# KiCad board chastity.kicad_pcb
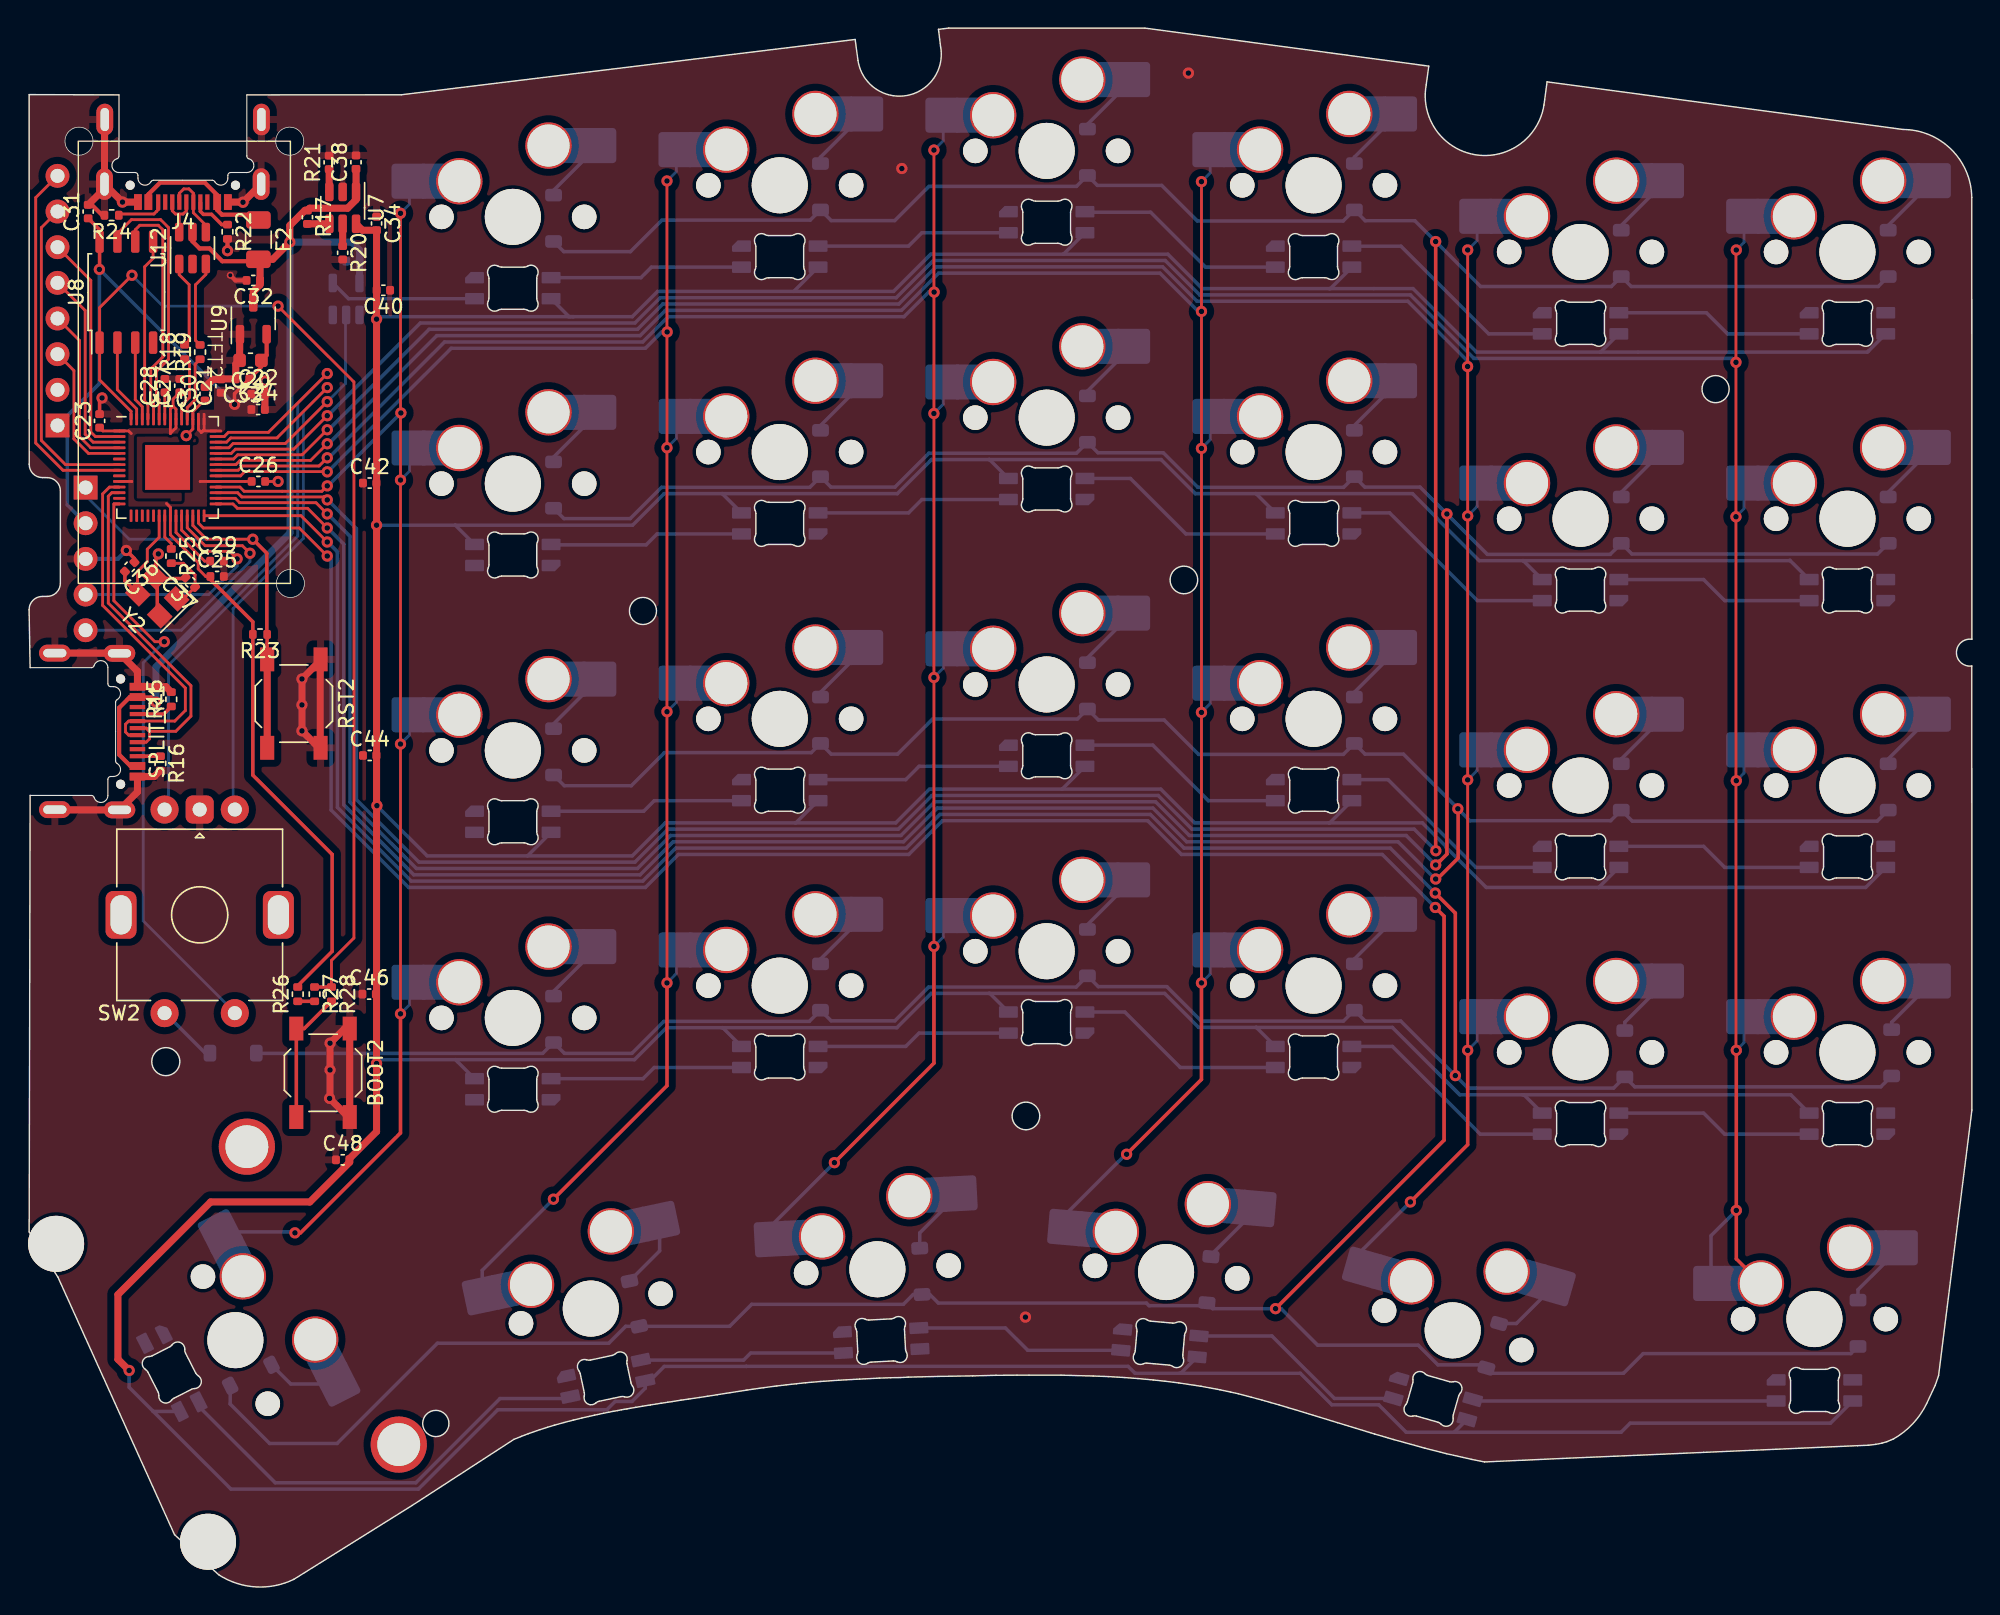
[diagram p0: board, top side]
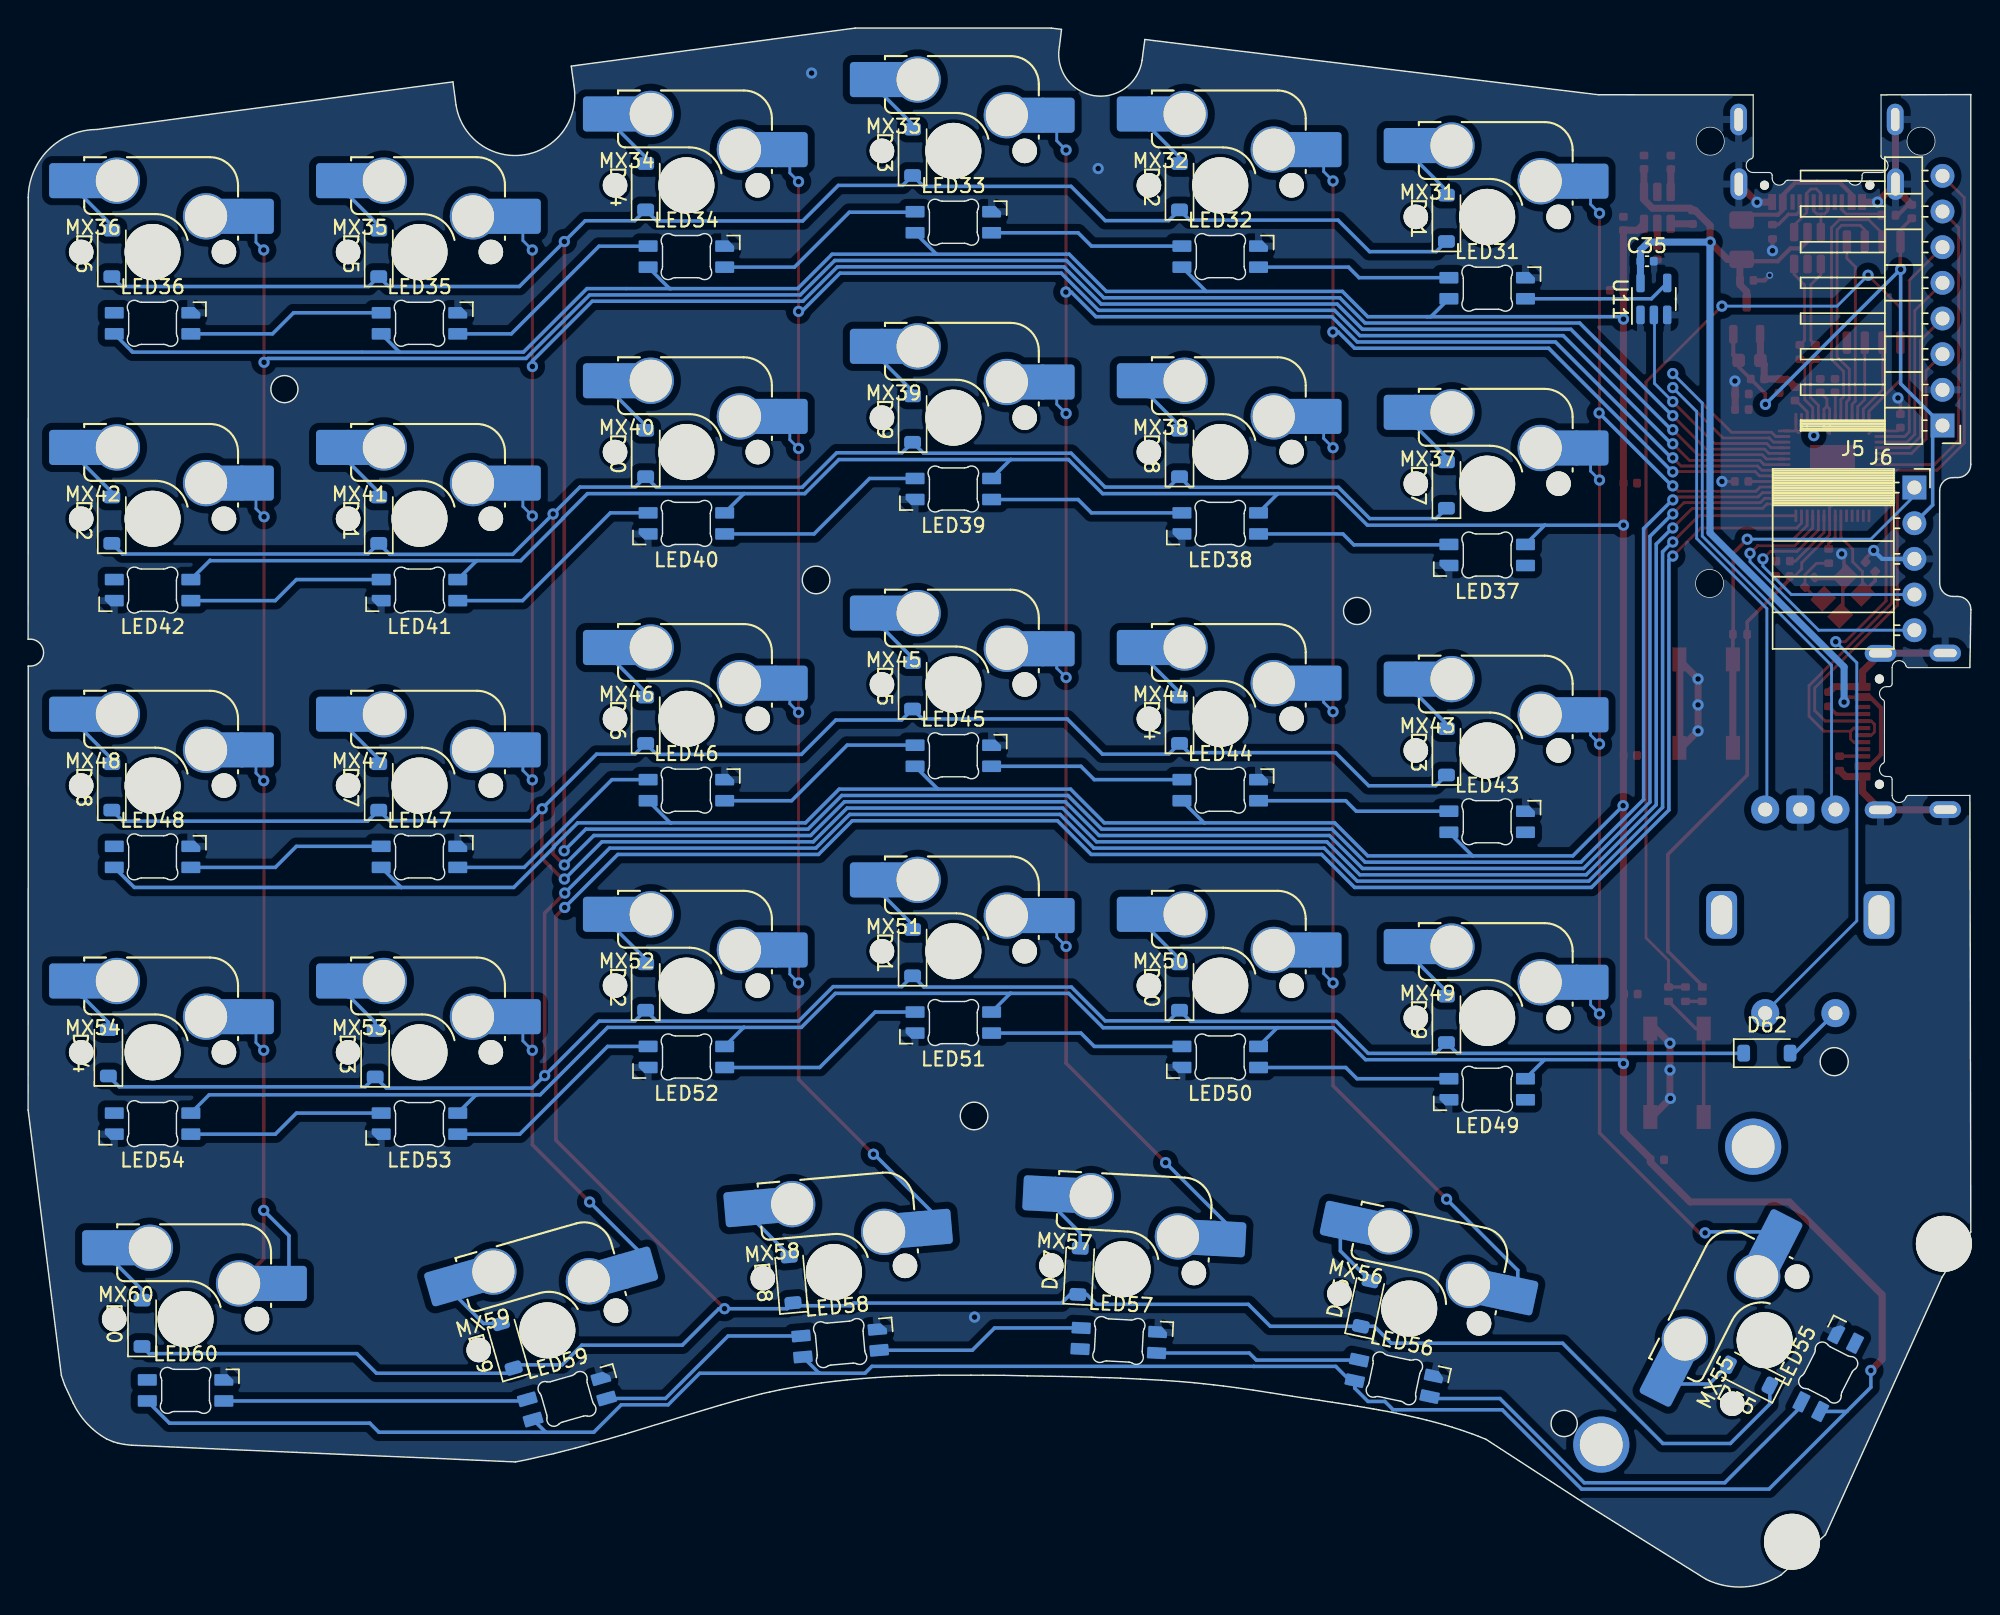
[diagram p1: board, bottom side, seen from below]

Outline 138.29 x 111.02 mm; copper layers: Top, Bottom. Coordinates in mm from the lower left corner of the outline.
Outline path: circle c9.73,37.41 r1 ; circle c28.95,11.64 r0.93 ; circle c43.7,69.51 r0.97 ; circle c70.96,33.54 r0.99 ; circle c82.2,71.72 r0.98 ; circle c120.05,85.31 r0.97 ; 0.07,65.47 0,69.6 arc(0.28,70.27) 0.94,70.54 1.28,70.54 arc(1.95,70.82) 2.23,71.49 2.23,78.06 arc(1.95,78.73) 1.28,79.01 0.95,79.01 arc(0.28,79.28) 0.01,79.95 0.01,106.28 6.4,106.26 ; 0.07,56.37 0.01,25.28 2.06,22.06 10.35,3.72 13.51,0.86 arc(16.13,0) 18.84,0.54 27.26,5.8 34.51,10.51 35.06,10.73 35.53,10.91 36.36,11.2 36.9,11.37 37.4,11.52 38.08,11.71 38.74,11.88 39.35,12.03 39.79,12.13 40.24,12.23 40.48,12.28 40.89,12.37 41.25,12.44 41.55,12.5 41.89,12.56 42.15,12.61 42.32,12.64 42.5,12.67 42.61,12.69 42.73,12.71 43.19,12.79 43.67,12.87 44.22,12.96 44.99,13.08 45.45,13.15 45.78,13.2 46.4,13.3 46.96,13.38 47.71,13.49 48.3,13.58 48.99,13.69 49.88,13.83 51.1,14.02 52.29,14.19 53.21,14.31 53.9,14.39 54.62,14.47 55.28,14.54 56.33,14.63 57.63,14.72 59.11,14.8 60.52,14.87 61.34,14.9 62.04,14.91 62.58,14.94 64.66,14.99 67.17,15.03 68.82,15.07 70.32,15.08 73.45,15.08 75.75,15.02 76.83,14.98 77.98,14.91 78.93,14.84 80.01,14.74 80.85,14.65 81.82,14.53 83.41,14.29 84.77,14.04 85.51,13.88 86.06,13.76 87,13.51 87.75,13.31 88.38,13.13 88.98,12.96 89.61,12.77 90.08,12.63 93.12,11.7 95.77,10.89 97.11,10.5 99.35,9.88 100.88,9.49 102.7,9.08 103.6,8.9 109.14,9.15 119.19,9.58 130.16,10.06 130.93,10.09 131.44,10.15 131.9,10.24 132.23,10.34 132.71,10.54 arc(134.09,11.62) 135.07,13.06 135.68,14.36 135.92,15.05 138.29,33.96 138.28,65.59 arc(137.19,66.54) 138.29,67.49 138.28,98.96 arc(136.82,102.38) 133.38,103.8 108.05,107.19 107.83,105.54 arc(102.91,102.01) 99.45,106.98 ; 15.5,106.26 26.48,106.27 58.8,110.21 59,108.72 arc(62.45,106.21) 64.88,109.71 64.73,110.93 65.46,111.02 79.42,111.02 99.63,108.31 99.45,106.98

## Placement (name value [footprint] x y rotation side)
BOOT2  SW_Push  [SW_SPST_TL3342]  20.92 36.62 270 top
C20  10u  [C_0603_1608Metric]  15.76 87.35 180 top
C21  1u  [C_0402_1005Metric]  13.66 85.52 90 top
C22  100n  [C_0402_1005Metric]  16.3 84.96 0 top
C23  100n  [C_0402_1005Metric]  5.02 83.05 90 top
C24  100n  [C_0402_1005Metric]  16.3 83.85 0 top
C25  100n  [C_0402_1005Metric]  13.38 71.96 0 top
C26  100n  [C_0402_1005Metric]  16.32 78.73 0 top
C27  100n  [C_0402_1005Metric]  10.73 85.55 90 top
C28  1u  [C_0402_1005Metric]  9.67 85.55 90 top
C29  100n  [C_0402_1005Metric]  13.37 73.06 0 top
C30  100n  [C_0402_1005Metric]  12.52 84.97 90 top
C31  1u  [C_0402_1005Metric]  4.2 97.95 90 top
C32  1u  [C_0402_1005Metric]  15.96 93.05 180 top
C33  1u  [C_0402_1005Metric]  15.19 86.03 180 top
C34  100u  [C_0402_1005Metric]  24.73 97.1 270 top
C35  100n  [C_0402_1005Metric]  23.05 94.42 0 bottom
C36  22p  [C_0402_1005Metric]  7.16 72.65 225 top
C37  22p  [C_0402_1005Metric]  11.47 71.55 135 top
C38  100n  [C_0402_1005Metric]  23.27 101.47 90 top
C40  100u  [C_0402_1005Metric]  25.22 92.35 180 top
C42  100u  [C_0402_1005Metric]  24.24 78.62 0 top
C44  100u  [C_0402_1005Metric]  24.24 59.22 0 top
C46  100u  [C_0402_1005Metric]  24.2 42.22 0 top
C48  100u  [C_0402_1005Metric]  22.32 30.42 0 top
D31  D_Small  [D_SOD-123]  37.33 97.47 90 bottom
D32  D_Small  [D_SOD-123]  56.33 99.72 90 bottom
D33  D_Small  [D_SOD-123]  75.33 102.17 90 bottom
D34  D_Small  [D_SOD-123]  94.33 99.72 90 bottom
D35  D_Small  [D_SOD-123]  113.33 94.97 90 bottom
D36  D_Small  [D_SOD-123]  132.33 94.97 90 bottom
D37  D_Small  [D_SOD-123]  37.33 78.47 90 bottom
D38  D_Small  [D_SOD-123]  56.33 80.72 90 bottom
D39  D_Small  [D_SOD-123]  75.33 83.17 90 bottom
D40  D_Small  [D_SOD-123]  94.33 80.72 90 bottom
D41  D_Small  [D_SOD-123]  113.33 75.97 90 bottom
D42  D_Small  [D_SOD-123]  132.33 75.97 90 bottom
D43  D_Small  [D_SOD-123]  37.33 59.47 90 bottom
D44  D_Small  [D_SOD-123]  56.33 61.72 90 bottom
D45  D_Small  [D_SOD-123]  75.33 64.17 90 bottom
D46  D_Small  [D_SOD-123]  94.33 61.72 90 bottom
D47  D_Small  [D_SOD-123]  113.33 56.97 90 bottom
D48  D_Small  [D_SOD-123]  132.33 56.97 90 bottom
D49  D_Small  [D_SOD-123]  37.33 40.42 90 bottom
D50  D_Small  [D_SOD-123]  56.33 42.72 90 bottom
D51  D_Small  [D_SOD-123]  75.33 45.17 90 bottom
D52  D_Small  [D_SOD-123]  94.33 42.72 90 bottom
D53  D_Small  [D_SOD-123]  113.59 37.97 90 bottom
D54  D_Small  [D_SOD-123]  132.58 38.04 90 bottom
D55  D_Small  [D_SOD-123]  15.78 15.07 27 bottom
D56  D_Small  [D_SOD-123]  43.08 20.17 102 bottom
D57  D_Small  [D_SOD-123]  63.48 22.47 93 bottom
D58  D_Small  [D_SOD-123]  83.98 21.87 85 bottom
D59  D_Small  [D_SOD-123]  104.18 17.17 74 bottom
D60  D_Small  [D_SOD-123]  130.18 18.77 90 bottom
D62  D_Small  [D_SOD-123]  14.52 38.02 180 bottom
F2  Fuse_Small  [Fuse_1206_3216Metric]  16.32 95.95 270 top
J4  USB_C_Receptacle_USB2.0  [USB_C_Receptacle_HRO_TYPE-C-31-M-14]  10.94 99.83 180 top
J5  Conn_01x05  [PinSocket_1x05_P2.54mm_Horizontal]  4.02 78.3 180 bottom
J6  Conn_01x08_Pin  [PinHeader_1x08_P2.54mm_Horizontal]  2.02 82.72 0 bottom
LED31  SK6803MINI-E  [LED_MX_6028R]  34.43 92.49 0 bottom
LED32  SK6803MINI-E  [LED_MX_6028R]  53.43 94.74 0 bottom
LED33  SK6803MINI-E  [LED_MX_6028R]  72.43 97.19 0 bottom
LED34  SK6803MINI-E  [LED_MX_6028R]  91.43 94.74 0 bottom
LED35  SK6803MINI-E  [LED_MX_6028R]  110.43 89.99 0 bottom
LED36  SK6803MINI-E  [LED_MX_6028R]  129.43 89.99 0 bottom
LED37  SK6803MINI-E  [LED_MX_6028R]  34.43 73.49 180 bottom
LED38  SK6803MINI-E  [LED_MX_6028R]  53.43 75.74 180 bottom
LED39  SK6803MINI-E  [LED_MX_6028R]  72.43 78.19 180 bottom
LED40  SK6803MINI-E  [LED_MX_6028R]  91.43 75.74 180 bottom
LED41  SK6803MINI-E  [LED_MX_6028R]  110.43 70.99 180 bottom
LED42  SK6803MINI-E  [LED_MX_6028R]  129.43 70.99 180 bottom
LED43  SK6803MINI-E  [LED_MX_6028R]  34.43 54.49 0 bottom
LED44  SK6803MINI-E  [LED_MX_6028R]  53.43 56.74 0 bottom
LED45  SK6803MINI-E  [LED_MX_6028R]  72.43 59.19 0 bottom
LED46  SK6803MINI-E  [LED_MX_6028R]  91.43 56.74 0 bottom
LED47  SK6803MINI-E  [LED_MX_6028R]  110.43 51.99 0 bottom
LED48  SK6803MINI-E  [LED_MX_6028R]  129.43 51.99 0 bottom
LED49  SK6803MINI-E  [LED_MX_6028R]  34.43 35.44 180 bottom
LED50  SK6803MINI-E  [LED_MX_6028R]  53.43 37.74 180 bottom
LED51  SK6803MINI-E  [LED_MX_6028R]  72.43 40.19 180 bottom
LED52  SK6803MINI-E  [LED_MX_6028R]  91.43 37.74 180 bottom
LED53  SK6803MINI-E  [LED_MX_6028R]  110.43 32.99 180 bottom
LED54  SK6803MINI-E  [LED_MX_6028R]  129.43 32.99 180 bottom
LED55  SK6803MINI-E  [LED_MX_6028R]  10.16 15.27 297 bottom
LED56  SK6803MINI-E  [LED_MX_6028R]  41.04 14.86 12 bottom
LED57  SK6803MINI-E  [LED_MX_6028R]  60.65 17.55 3 bottom
LED58  SK6803MINI-E  [LED_MX_6028R]  80.49 17.36 355 bottom
LED59  SK6803MINI-E  [LED_MX_6028R]  99.93 13.39 344 bottom
LED60  SK6803MINI-E  [LED_MX_6028R]  127.08 13.99 0 bottom
MX31  MX_SW_HS  [SW_MX_HS_1u]  34.43 97.57 180 bottom
MX32  MX_SW_HS  [SW_MX_HS_1u]  53.43 99.82 180 bottom
MX33  MX_SW_HS  [SW_MX_HS_1u]  72.43 102.27 180 bottom
MX34  MX_SW_HS  [SW_MX_HS_1u]  91.43 99.82 180 bottom
MX35  MX_SW_HS  [SW_MX_HS_1u]  110.43 95.07 180 bottom
MX36  MX_SW_HS  [SW_MX_HS_1u]  129.43 95.07 180 bottom
MX37  MX_SW_HS  [SW_MX_HS_1u]  34.43 78.57 180 bottom
MX38  MX_SW_HS  [SW_MX_HS_1u]  53.43 80.82 180 bottom
MX39  MX_SW_HS  [SW_MX_HS_1u]  72.43 83.27 180 bottom
MX40  MX_SW_HS  [SW_MX_HS_1u]  91.43 80.82 180 bottom
MX41  MX_SW_HS  [SW_MX_HS_1u]  110.43 76.07 180 bottom
MX42  MX_SW_HS  [SW_MX_HS_1u]  129.43 76.07 180 bottom
MX43  MX_SW_HS  [SW_MX_HS_1u]  34.43 59.57 180 bottom
MX44  MX_SW_HS  [SW_MX_HS_1u]  53.43 61.82 180 bottom
MX45  MX_SW_HS  [SW_MX_HS_1u]  72.43 64.27 180 bottom
MX46  MX_SW_HS  [SW_MX_HS_1u]  91.43 61.82 180 bottom
MX47  MX_SW_HS  [SW_MX_HS_1u]  110.43 57.07 180 bottom
MX48  MX_SW_HS  [SW_MX_HS_1u]  129.43 57.07 180 bottom
MX49  MX_SW_HS  [SW_MX_HS_1u]  34.43 40.52 180 bottom
MX50  MX_SW_HS  [SW_MX_HS_1u]  53.43 42.82 180 bottom
MX51  MX_SW_HS  [SW_MX_HS_1u]  72.43 45.27 180 bottom
MX52  MX_SW_HS  [SW_MX_HS_1u]  91.43 42.82 180 bottom
MX53  MX_SW_HS  [SW_MX_HS_1u]  110.43 38.07 180 bottom
MX54  MX_SW_HS  [SW_MX_HS_1u]  129.43 38.07 180 bottom
MX55  MX_SW_HS  [SW_MX_HS_1u]  14.68 17.57 117 bottom
MX56  MX_SW_HS  [SW_MX_HS_1u]  39.98 19.82 192 bottom
MX57  MX_SW_HS  [SW_MX_HS_1u]  60.38 22.62 183 bottom
MX58  MX_SW_HS  [SW_MX_HS_1u]  80.93 22.42 175 bottom
MX59  MX_SW_HS  [SW_MX_HS_1u]  101.33 18.27 164 bottom
MX60  MX_SW_HS  [SW_MX_HS_1u]  127.08 19.07 180 bottom
R15  5K1  [R_0402_1005Metric]  10.12 63.22 90 top
R16  5K1  [R_0402_1005Metric]  9.35 58.65 270 top
R17  5k1  [C_0402_1005Metric]  19.81 97.55 270 top
R18  27  [R_0402_1005Metric]  11.07 87.95 90 top
R19  27  [R_0402_1005Metric]  12.17 87.94 90 top
R20  75k  [C_0402_1005Metric]  22.32 95.02 270 top
R21  5k1  [C_0402_1005Metric]  21.36 101.46 90 top
R22  5K1  [R_0402_1005Metric]  14.12 96.52 270 top
R23  5K1  [R_0402_1005Metric]  16.44 67.84 180 top
R24  5K1  [R_0402_1005Metric]  5.88 97.69 180 top
R25  1k  [R_0402_1005Metric]  10.12 73.42 270 top
R26  5K1  [R_0402_1005Metric]  19.12 42.22 90 top
R27  5K1  [R_0402_1005Metric]  20.32 42.22 270 top
R28  1k  [R_0402_1005Metric]  21.52 42.22 270 top
RST2  SW_Push  [SW_SPST_TL3342]  18.85 62.91 270 top
S31  MX_stab  [STAB_MX_P_2u]  14.68 17.57 297 top
SPLIT_R1  USB-C-2.0  [USB_C_Receptacle_HRO_TYPE-C-31-M-14]  6.51 60.91 270 top
SW2  RotaryEncoder_Switch  [ROT_Alps_EC11E-Switch]  12.14 47.87 180 top
TFT2  ~  [TFT 1.47 waveshare]  19.05 102.97 270 top
U7  TPS2553DBVR  [SOT-23-6]  22.32 98.22 270 top
U8  W25Q128JVS  [SOIC-8_5.23x5.23mm_P1.27mm]  6.92 92.22 90 top
U9  XC6206PxxxMR  [SOT-23-3]  15.96 90.35 90 top
U10  RP2040  [QFN-56-1EP_7x7mm_P0.4mm_EP3.2x3.2mm]  9.86 79.73 0 top
U11  74AHC1G125  [SOT-23-5]  22.57 91.73 90 bottom
U12  USBLC6-2SC6  [SOT-23-6]  11.63 95.35 90 top
Y2  Crystal_GND24  [Crystal_SMD_3225-4Pin_3.2x2.5mm]  9.12 70.55 135 top

## Library data of the parts
BOOT2 RST2 = -: Description: Push button switch, generic, two pins
C20-C37 C40 C42 C44 C46 C48 = -: Description: Unpolarized capacitor, small symbol
C38 = -: Description: Unpolarized capacitor; LCSC: C1760
D31-D60 D62 = -: Description: Diode, small symbol; Sim.Device: D; Sim.Pins: 1=K 2=A
F2 = -: Description: Fuse, small symbol
J4 SPLIT_R1 = -: Description: USB 2.0-only Type-C Receptacle connector
J5 = -: Description: Generic connector, single row, 01x05, script generated (kicad-library-utils/schlib/autogen/connector/)
J6 = -: Description: Generic connector, single row, 01x08, script generated
LED31-LED60 = -: Description: Reverse mount adressable LED (WS2812 protocol); Field4: 1
MX31-MX60 = -: Description: Push button switch, normally open, two pins, 45° tilted
R15 R16 R18 R19 R22-R28 = -: Description: Resistor, small symbol
R17 R21 = -: Description: Resistor; LCSC: C27834
R20 = -: Description: Resistor; LCSC: C17819
S31 = -: Description: Cherry MX-style stabilizer
SW2 = -: Description: Rotary encoder, dual channel, incremental quadrate outputs, with switch
U7 = -: LCSC: C55266
U8 = -: Description: 128Mb Serial Flash Memory, Standard/Dual/Quad SPI, SOIC-8
U9 = -: Description: Positive 60-250mA Low Dropout Regulator, Fixed Output, SOT-23
U10 = -: Description: A microcontroller by Raspberry Pi
U11 = -: Description: Single Buffer Gate Tri-State, Low-Voltage CMOS
U12 = -: Description: Very low capacitance ESD protection diode, 2 data-line, SOT-23-6
Y2 = -: Description: Four pin crystal, GND on pins 2 and 4

## Footprints (pads in the part's own frame, mm; a bottom-side part is the same pattern mirrored in y, then rotated)
C_0402_1005Metric
  rrect 0.56x0.62 smd: 1(-0.48,0) 2(0.48,0)
C_0603_1608Metric
  rrect 0.9x0.95 smd: 1(-0.775,0) 2(0.775,0)
Crystal_SMD_3225-4Pin_3.2x2.5mm
  rect 1.4x1.2 smd: 1(-1.1,-0.85) 2(1.1,-0.85) 3(1.1,0.85) 4(-1.1,0.85)
D_SOD-123
  rrect 0.9x1.2 smd: 1(-1.65,0) 2(1.65,0)
Fuse_1206_3216Metric
  rrect 1.25x1.75 smd: 1(-1.4,0) 2(1.4,0)
LED_MX_6028R
  rrect 1.35x0.82 smd: 1(2.725,0.75) 2(2.725,-0.75) 3(-2.725,0.75) 4(-2.725,-0.75)
PinHeader_1x08_P2.54mm_Horizontal
  rect 1.7x1.7 hole 1: 1(0,0)
  oval 1.7x1.7 hole 1: 2(0,-2.54) 3(0,-5.08) 4(0,-7.62) 5(0,-10.16) 6(0,-12.7) 7(0,-15.24) 8(0,-17.78)
PinSocket_1x05_P2.54mm_Horizontal
  rect 1.7x1.7 hole 1: 1(0,0)
  oval 1.7x1.7 hole 1: 2(0,-2.54) 3(0,-5.08) 4(0,-7.62) 5(0,-10.16)
QFN-56-1EP_7x7mm_P0.4mm_EP3.2x3.2mm
  rrect 1.29x1.29 smd: (-0.8,0.8) (-0.8,-0.8) (0.8,0.8) (0.8,-0.8)
  rrect 0.875x0.2 smd: 1(-3.438,2.6) 2(-3.438,2.2) 3(-3.438,1.8) 4(-3.438,1.4) 5(-3.438,1) 6(-3.438,0.6) 7(-3.438,0.2) 8(-3.438,-0.2) 9(-3.438,-0.6) 10(-3.438,-1) 11(-3.438,-1.4) 12(-3.438,-1.8) 13(-3.438,-2.2) 14(-3.438,-2.6) 29(3.438,-2.6) 30(3.438,-2.2) 31(3.438,-1.8) 32(3.438,-1.4) 33(3.438,-1) 34(3.438,-0.6) 35(3.438,-0.2) 36(3.438,0.2) 37(3.438,0.6) 38(3.438,1) 39(3.438,1.4) 40(3.438,1.8) 41(3.438,2.2) 42(3.438,2.6)
  rrect 0.2x0.875 smd: 15(-2.6,-3.438) 16(-2.2,-3.438) 17(-1.8,-3.438) 18(-1.4,-3.438) 19(-1,-3.438) 20(-0.6,-3.438) 21(-0.2,-3.438) 22(0.2,-3.438) 23(0.6,-3.438) 24(1,-3.438) 25(1.4,-3.438) 26(1.8,-3.438) 27(2.2,-3.438) 28(2.6,-3.438) 43(2.6,3.438) 44(2.2,3.438) 45(1.8,3.438) 46(1.4,3.438) 47(1,3.438) 48(0.6,3.438) 49(0.2,3.438) 50(-0.2,3.438) 51(-0.6,3.438) 52(-1,3.438) 53(-1.4,3.438) 54(-1.8,3.438) 55(-2.2,3.438) 56(-2.6,3.438)
  rect 3.2x3.2 smd: 57(0,0)
R_0402_1005Metric
  rrect 0.54x0.64 smd: 1(-0.51,0) 2(0.51,0)
ROT_Alps_EC11E-Switch
  round 2 hole 1: A(-2.5,-7.5) B(2.5,-7.5) S1(2.5,7) S2(-2.5,7)
  rrect 2x2 hole 1: C(0,-7.5)
  rrect 2.2x3.4 hole 1.5x2.8: MP(-5.6,0) MP(5.6,0)
SOIC-8_5.23x5.23mm_P1.27mm
  rrect 1.6x0.6 smd: 1(-3.6,1.905) 2(-3.6,0.635) 3(-3.6,-0.635) 4(-3.6,-1.905) 5(3.6,-1.905) 6(3.6,-0.635) 7(3.6,0.635) 8(3.6,1.905)
SOT-23-3
  rrect 1.325x0.6 smd: 1(-1.137,0.95) 2(-1.137,-0.95) 3(1.137,0)
SOT-23-5
  rrect 1.325x0.6 smd: 1(-1.137,0.95) 2(-1.137,0) 3(-1.137,-0.95) 4(1.137,-0.95) 5(1.137,0.95)
SOT-23-6
  rrect 1.325x0.6 smd: 1(-1.137,0.95) 2(-1.137,0) 3(-1.137,-0.95) 4(1.137,-0.95) 5(1.137,0) 6(1.137,0.95)
STAB_MX_P_2u
  round 4 hole 3.048: (-11.906,6.985) (11.906,6.985)
  round 3.988 hole 3.988 unplated: (-11.906,-8.255) (11.906,-8.255)
SW_MX_HS_1u
  round 1.75 hole 1.75 unplated: (-5.08,0) (5.08,0)
  round 3.988 hole 3.988 unplated: (0,0)
  round 3.3 hole 3: 1(3.81,2.54) 2(-2.54,5.08)
  rect 1.65x2.5 smd: 1(5.635,2.54) 2(-4.34,5.08)
  rrect 2.55x2.5 smd: 1(7.36,2.54) 2(-6.09,5.08)
SW_SPST_TL3342
  rect 1.7x1 smd: 1(-3.15,1.9) 1(3.15,1.9) 2(-3.15,-1.9) 2(3.15,-1.9)
USB_C_Receptacle_HRO_TYPE-C-31-M-14
  round 0.65 hole 0.65 unplated: (-3.75,0) (3.75,0)